# KiCad board px16_regfile.kicad_pcb (continued)
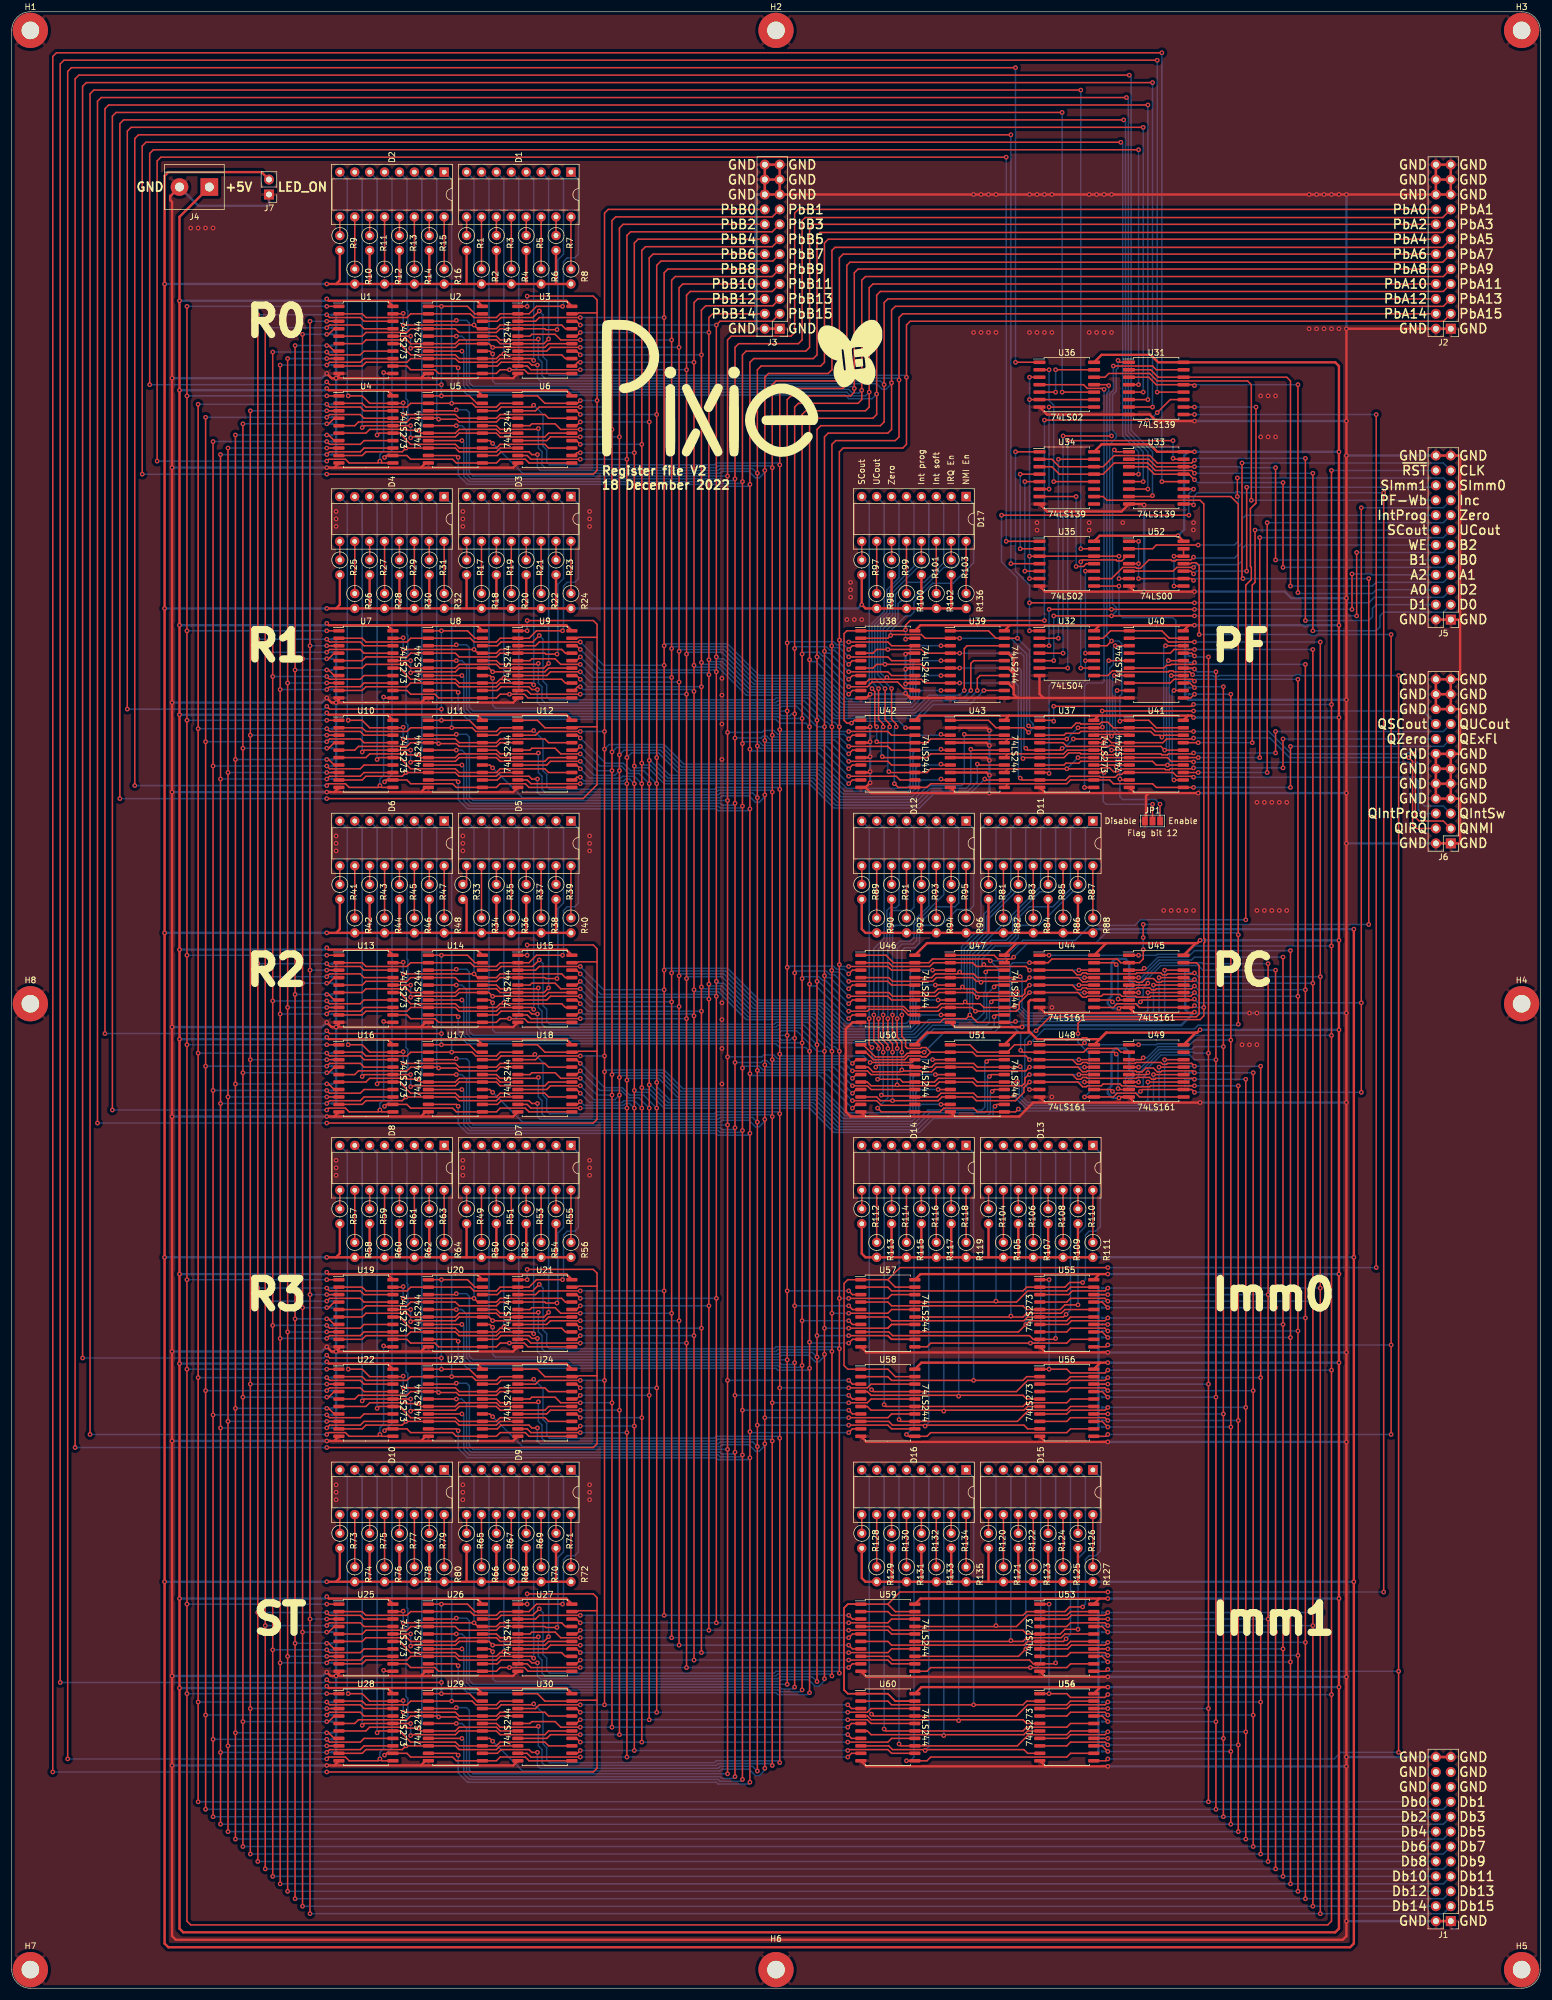
[diagram p0: board, top side]
## Nets (continued)
/PCQ11: D12.4 U48.11 U50.8 U51.8
/PCQ12: D12.5 U49.14 U50.11 U51.11
/PCQ13: D12.6 U49.13 U50.13 U51.13
/PCQ14: D12.7 U49.12 U50.15 U51.15
/PCQ15: D12.8 U49.11 U50.17 U51.17
/PF-Wa: U32.12 U36.11 U41.1 U41.19
/PF-Wb: J5.18 U36.12
/PF-WE: U36.4 U37.11
/QExFl: D17.5 J6.15 U37.12 U41.11 U42.11 U43.11
/QIntProg: D17.4 J6.6 U37.9 U38.8 U39.8 U41.8
/QIntSw: D17.3 J6.5 U37.6 U38.6 U39.6 U41.6
/QIRQ: D17.2 J6.4 U37.5 U38.4 U39.4 U41.4
/QNMI: D17.1 J6.3 U37.2 U38.2 U39.2 U41.2
/QSCout: D17.8 J6.18 U37.19 U42.17 U43.17
/QUCout: D17.7 J6.17 U37.16 U42.15 U43.15
/QZero: D17.6 J6.16 U37.15 U42.13 U43.13
/R0-WE: U1.11 U4.11 U35.1
/R0Q0: D1.1 U1.2 U2.2 U3.2
/R0Q1: D1.2 U1.5 U2.4 U3.4
/R0Q2: D1.3 U1.6 U2.6 U3.6
/R0Q3: D1.4 U1.9 U2.8 U3.8
/R0Q4: D1.5 U1.12 U2.11 U3.11
/R0Q5: D1.6 U1.15 U2.13 U3.13
/R0Q6: D1.7 U1.16 U2.15 U3.15
/R0Q7: D1.8 U1.19 U2.17 U3.17
/R0Q8: D2.1 U4.2 U5.2 U6.2
/R0Q9: D2.2 U4.5 U5.4 U6.4
/R0Q10: D2.3 U4.6 U5.6 U6.6
/R0Q11: D2.4 U4.9 U5.8 U6.8
/R0Q12: D2.5 U4.12 U5.11 U6.11
/R0Q13: D2.6 U4.15 U5.13 U6.13
/R0Q14: D2.7 U4.16 U5.15 U6.15
/R0Q15: D2.8 U4.19 U5.17 U6.17
/R1-WE: U7.11 U10.11 U35.4
/R1Q0: D3.1 U7.2 U8.2 U9.2
/R1Q1: D3.2 U7.5 U8.4 U9.4
/R1Q2: D3.3 U7.6 U8.6 U9.6
/R1Q3: D3.4 U7.9 U8.8 U9.8
/R1Q4: D3.5 U7.12 U8.11 U9.11
/R1Q5: D3.6 U7.15 U8.13 U9.13
/R1Q6: D3.7 U7.16 U8.15 U9.15
/R1Q7: D3.8 U7.19 U8.17 U9.17
/R1Q8: D4.1 U10.2 U11.2 U12.2
/R1Q9: D4.2 U10.5 U11.4 U12.4
/R1Q10: D4.3 U10.6 U11.6 U12.6
/R1Q11: D4.4 U10.9 U11.8 U12.8
/R1Q12: D4.5 U10.12 U11.11 U12.11
/R1Q13: D4.6 U10.15 U11.13 U12.13
/R1Q14: D4.7 U10.16 U11.15 U12.15
/R1Q15: D4.8 U10.19 U11.17 U12.17
/R2-WE: U13.11 U16.11 U36.10
/R2Q0: D5.1 U13.2 U14.2 U15.2
/R2Q1: D5.2 U13.5 U14.4 U15.4
/R2Q2: D5.3 U13.6 U14.6 U15.6
/R2Q3: D5.4 U13.9 U14.8 U15.8
/R2Q4: D5.5 U13.12 U14.11 U15.11
/R2Q5: D5.6 U13.15 U14.13 U15.13
/R2Q6: D5.7 U13.16 U14.15 U15.15
/R2Q7: D5.8 U13.19 U14.17 U15.17
/R2Q8: D6.1 U16.2 U17.2 U18.2
/R2Q9: D6.2 U16.5 U17.4 U18.4
/R2Q10: D6.3 U16.6 U17.6 U18.6
/R2Q11: D6.4 U16.9 U17.8 U18.8
/R2Q12: D6.5 U16.12 U17.11 U18.11
/R2Q13: D6.6 U16.15 U17.13 U18.13
/R2Q14: D6.7 U16.16 U17.15 U18.15
/R2Q15: D6.8 U16.19 U17.17 U18.17
/R3-WE: U19.11 U22.11 U35.13
/R3Q0: D7.1 U19.2 U20.2 U21.2
/R3Q1: D7.2 U19.5 U20.4 U21.4
/R3Q2: D7.3 U19.6 U20.6 U21.6
/R3Q3: D7.4 U19.9 U20.8 U21.8
/R3Q4: D7.5 U19.12 U20.11 U21.11
/R3Q5: D7.6 U19.15 U20.13 U21.13
/R3Q6: D7.7 U19.16 U20.15 U21.15
/R3Q7: D7.8 U19.19 U20.17 U21.17
/R3Q8: D8.1 U22.2 U23.2 U24.2
/R3Q9: D8.2 U22.5 U23.4 U24.4
/R3Q10: D8.3 U22.6 U23.6 U24.6
/R3Q11: D8.4 U22.9 U23.8 U24.8
/R3Q12: D8.5 U22.12 U23.11 U24.11
/R3Q13: D8.6 U22.15 U23.13 U24.13
/R3Q14: D8.7 U22.16 U23.15 U24.15
/R3Q15: D8.8 U22.19 U23.17 U24.17
/SCout: J5.14 U41.17
/SImm0: J5.19 U52.2
/SImm1: J5.20 U52.10
/ST-WE: U25.11 U28.11 U36.1
/STQ0: D9.1 U25.2 U26.2 U27.2
/STQ1: D9.2 U25.5 U26.4 U27.4
/STQ2: D9.3 U25.6 U26.6 U27.6
/STQ3: D9.4 U25.9 U26.8 U27.8
/STQ4: D9.5 U25.12 U26.11 U27.11
/STQ5: D9.6 U25.15 U26.13 U27.13
/STQ6: D9.7 U25.16 U26.15 U27.15
/STQ7: D9.8 U25.19 U26.17 U27.17
/STQ8: D10.1 U28.2 U29.2 U30.2
/STQ9: D10.2 U28.5 U29.4 U30.4
/STQ10: D10.3 U28.6 U29.6 U30.6
/STQ11: D10.4 U28.9 U29.8 U30.8
/STQ12: D10.5 U28.12 U29.11 U30.11
/STQ13: D10.6 U28.15 U29.13 U30.13
/STQ14: D10.7 U28.16 U29.15 U30.15
/STQ15: D10.8 U28.19 U29.17 U30.17
/UCout: J5.13 U41.15
/WE: J5.12 U52.5
/Zero: J5.15 U41.13
/~{A2}: U31.15 U32.4
/~{B2}: U32.6 U33.15
/~{D2}: U32.2 U34.15
/~{Imm-OEa}: U31.9 U57.1 U57.19 U58.1 U58.19
/~{Imm-OEb}: U33.9 U59.1 U59.19 U60.1 U60.19
/~{PC-OEa}: U31.10 U46.1 U46.19 U50.1 U50.19
/~{PC-OEb}: U33.10 U47.1 U47.19 U51.1 U51.19
/~{PC-WE}: U34.10 U44.9 U45.9 U48.9 U49.9
/~{PF-OEa}: U31.11 U38.1 U38.19 U42.1 U42.19
/~{PF-OEb}: U33.11 U39.1 U39.19 U43.1 U43.19
/~{PF-Wa}: U32.13 U40.1 U40.19
/~{PF-WE}: U34.11
/~{R0-OEa}: U2.1 U2.19 U5.1 U5.19 U31.4
/~{R0-OEb}: U3.1 U3.19 U6.1 U6.19 U33.4
/~{R0-WE}: U34.4 U35.2
/~{R1-OEa}: U8.1 U8.19 U11.1 U11.19 U31.5
/~{R1-OEb}: U9.1 U9.19 U12.1 U12.19 U33.5
/~{R1-WE}: U34.5 U35.5
/~{R2-OEa}: U14.1 U14.19 U17.1 U17.19 U31.6
/~{R2-OEb}: U15.1 U15.19 U18.1 U18.19 U33.6
/~{R2-WE}: U34.6 U36.8
/~{R3-OEa}: U20.1 U20.19 U23.1 U23.19 U31.7
/~{R3-OEb}: U21.1 U21.19 U24.1 U24.19 U33.7
/~{R3-WE}: U34.7 U35.11
/~{RST}: J5.22 U1.1 U4.1 U7.1 U10.1 U13.1 U16.1 U19.1 U22.1 U25.1 U28.1 U37.1 U44.1 U45.1 U48.1 U49.1 U53.1 U54.1 U55.1 U56.1
/~{ST-OEa}: U26.1 U26.19 U29.1 U29.19 U31.12
/~{ST-OEb}: U27.1 U27.19 U30.1 U30.19 U33.12
/~{ST-WE}: U34.12 U36.2
Net-(D1-Pad9): D1.9 R1.1
Net-(D1-Pad10): D1.10 R2.1
Net-(D1-Pad11): D1.11 R3.1
Net-(D1-Pad12): D1.12 R4.1
Net-(D1-Pad13): D1.13 R5.1
Net-(D1-Pad14): D1.14 R6.1
Net-(D1-Pad15): D1.15 R7.1
Net-(D1-Pad16): D1.16 R8.1
Net-(D2-Pad9): D2.9 R9.1
Net-(D2-Pad10): D2.10 R10.1
Net-(D2-Pad11): D2.11 R11.1
Net-(D2-Pad12): D2.12 R12.1
Net-(D2-Pad13): D2.13 R13.1
Net-(D2-Pad14): D2.14 R14.1
Net-(D2-Pad15): D2.15 R15.1
Net-(D2-Pad16): D2.16 R16.1
Net-(D3-Pad9): D3.9 R17.1
Net-(D3-Pad10): D3.10 R18.1
Net-(D3-Pad11): D3.11 R19.1
Net-(D3-Pad12): D3.12 R20.1
Net-(D3-Pad13): D3.13 R21.1
Net-(D3-Pad14): D3.14 R22.1
Net-(D3-Pad15): D3.15 R23.1
Net-(D3-Pad16): D3.16 R24.1
Net-(D4-Pad9): D4.9 R25.1
Net-(D4-Pad10): D4.10 R26.1
Net-(D4-Pad11): D4.11 R27.1
Net-(D4-Pad12): D4.12 R28.1
Net-(D4-Pad13): D4.13 R29.1
Net-(D4-Pad14): D4.14 R30.1
Net-(D4-Pad15): D4.15 R31.1
Net-(D4-Pad16): D4.16 R32.1
Net-(D5-Pad9): D5.9 R33.1
Net-(D5-Pad10): D5.10 R34.1
Net-(D5-Pad11): D5.11 R35.1
Net-(D5-Pad12): D5.12 R36.1
Net-(D5-Pad13): D5.13 R37.1
Net-(D5-Pad14): D5.14 R38.1
Net-(D5-Pad15): D5.15 R39.1
Net-(D5-Pad16): D5.16 R40.1
Net-(D6-Pad9): D6.9 R41.1
Net-(D6-Pad10): D6.10 R42.1
Net-(D6-Pad11): D6.11 R43.1
Net-(D6-Pad12): D6.12 R44.1
Net-(D6-Pad13): D6.13 R45.1
Net-(D6-Pad14): D6.14 R46.1
Net-(D6-Pad15): D6.15 R47.1
Net-(D6-Pad16): D6.16 R48.1
Net-(D7-Pad9): D7.9 R49.1
Net-(D7-Pad10): D7.10 R50.1
Net-(D7-Pad11): D7.11 R51.1
Net-(D7-Pad12): D7.12 R52.1
Net-(D7-Pad13): D7.13 R53.1
Net-(D7-Pad14): D7.14 R54.1
Net-(D7-Pad15): D7.15 R55.1
Net-(D7-Pad16): D7.16 R56.1
Net-(D8-Pad9): D8.9 R57.1
Net-(D8-Pad10): D8.10 R58.1
Net-(D8-Pad11): D8.11 R59.1
Net-(D8-Pad12): D8.12 R60.1
Net-(D8-Pad13): D8.13 R61.1
Net-(D8-Pad14): D8.14 R62.1
Net-(D8-Pad15): D8.15 R63.1
Net-(D8-Pad16): D8.16 R64.1
Net-(D9-Pad9): D9.9 R65.1
Net-(D9-Pad10): D9.10 R66.1
Net-(D9-Pad11): D9.11 R67.1
Net-(D9-Pad12): D9.12 R68.1
Net-(D9-Pad13): D9.13 R69.1
Net-(D9-Pad14): D9.14 R70.1
Net-(D9-Pad15): D9.15 R71.1
Net-(D9-Pad16): D9.16 R72.1
Net-(D10-Pad9): D10.9 R73.1
Net-(D10-Pad10): D10.10 R74.1
Net-(D10-Pad11): D10.11 R75.1
Net-(D10-Pad12): D10.12 R76.1
Net-(D10-Pad13): D10.13 R77.1
Net-(D10-Pad14): D10.14 R78.1
Net-(D10-Pad15): D10.15 R79.1
Net-(D10-Pad16): D10.16 R80.1
Net-(D11-Pad9): D11.9 R81.1
Net-(D11-Pad10): D11.10 R82.1
Net-(D11-Pad11): D11.11 R83.1
Net-(D11-Pad12): D11.12 R84.1
Net-(D11-Pad13): D11.13 R85.1
Net-(D11-Pad14): D11.14 R86.1
Net-(D11-Pad15): D11.15 R87.1
Net-(D11-Pad16): D11.16 R88.1
Net-(D12-Pad9): D12.9 R89.1
Net-(D12-Pad10): D12.10 R90.1
Net-(D12-Pad11): D12.11 R91.1
Net-(D12-Pad12): D12.12 R92.1
Net-(D12-Pad13): D12.13 R93.1
Net-(D12-Pad14): D12.14 R94.1
Net-(D12-Pad15): D12.15 R95.1
Net-(D12-Pad16): D12.16 R96.1
Net-(D13-Pad9): D13.9 R104.1
Net-(D13-Pad10): D13.10 R105.1
Net-(D13-Pad11): D13.11 R106.1
Net-(D13-Pad12): D13.12 R107.1
Net-(D13-Pad13): D13.13 R108.1
Net-(D13-Pad14): D13.14 R109.1
Net-(D13-Pad15): D13.15 R110.1
Net-(D13-Pad16): D13.16 R111.1
Net-(D14-Pad9): D14.9 R112.1
Net-(D14-Pad10): D14.10 R113.1
Net-(D14-Pad11): D14.11 R114.1
Net-(D14-Pad12): D14.12 R115.1
Net-(D14-Pad13): D14.13 R116.1
Net-(D14-Pad14): D14.14 R117.1
Net-(D14-Pad15): D14.15 R118.1
Net-(D14-Pad16): D14.16 R119.1
Net-(D15-Pad9): D15.9 R120.1
Net-(D15-Pad10): D15.10 R121.1
Net-(D15-Pad11): D15.11 R122.1
Net-(D15-Pad12): D15.12 R123.1
Net-(D15-Pad13): D15.13 R124.1
Net-(D15-Pad14): D15.14 R125.1
Net-(D15-Pad15): D15.15 R126.1
Net-(D15-Pad16): D15.16 R127.1
Net-(D16-Pad9): D16.9 R128.1
Net-(D16-Pad10): D16.10 R129.1
Net-(D16-Pad11): D16.11 R130.1
Net-(D16-Pad12): D16.12 R131.1
Net-(D16-Pad13): D16.13 R132.1
Net-(D16-Pad14): D16.14 R133.1
Net-(D16-Pad15): D16.15 R134.1
Net-(D16-Pad16): D16.16 R135.1
Net-(D17-Pad9): D17.9 R97.1
Net-(D17-Pad10): D17.10 R98.1
Net-(D17-Pad11): D17.11 R99.1
Net-(D17-Pad12): D17.12 R100.1
Net-(D17-Pad13): D17.13 R101.1
Net-(D17-Pad14): D17.14 R102.1
Net-(D17-Pad15): D17.15 R103.1
Net-(D17-Pad16): D17.16 R136.1
Net-(JP1-Pad2): JP1.2 U37.13
Net-(U32-Pad9): U32.9 U52.3
Net-(U32-Pad10): U32.10 U37.8
Net-(U32-Pad11): U32.11 U35.10
Net-(U35-Pad12): U35.3 U35.6 U35.12 U36.3 U36.6 U36.9 U52.6
Net-(U36-Pad13): U36.5 U36.13
Net-(U44-Pad15): U44.15 U45.7
Net-(U45-Pad15): U45.15 U48.7
Net-(U48-Pad15): U48.15 U49.7
Net-(U52-Pad12): U52.8 U52.12 U52.13

Pads without a net: J1 19 20 21 22; U34 9; U49 15

## Via types
v1: diameter 0.8, hole 0.4, Top to Bottom, 1632 vias

## Routing (per net, layer and track width the routed paths; a pad name or vN(x,y) marks a point on that pad's centre or on a via; arc(x,y) is an arc through that point)
+5V: length 2204.3
  Top w0.4: U24.20 95.41,105.41 94.46,106.36 79.21,106.36 U23.20 ; 185.31,232.09 U32.14 ; 185.31,232.09 170.02,232.09 ; 185.31,232.09 200.5,232.09 ; 185.42,51.28 U54.20 ; 185.42,51.28 v1(186.69,51.28) ; 185.42,51.28 154.94,51.28 153.83,50.17 U60.20 ; 169.86,216.69 185.1,216.69 ; 169.86,216.69 169.07,215.9 U43.20 ; 169.86,216.69 154.62,216.69 153.83,215.9 U42.20 ; 185.1,216.69 184.31,215.9 U37.20 ; 185.1,216.69 200.34,216.69 ; U19.20 63.97,121.6 94.46,121.6 95.41,120.65 U21.20 ; v1(53.66,272.42) 53.98,272.1 63.98,272.1 ; 63.98,161.61 79.22,161.61 ; 63.98,161.61 53.98,161.61 v1(53.66,161.93) ; 63.98,161.61 63.98,161.6 U16.20 ; 186.42,177.96 184.35,175.9 ; 186.42,177.96 201.66,177.96 ; 186.42,177.96 171.13,177.96 ; U48.16 186.42,162.72 ; 186.42,162.72 185.31,161.61 183.22,161.61 183.05,161.77 182.39,161.77 182.23,161.61 174.62,161.61 173.51,162.72 ; 186.42,162.72 201.66,162.72 ; 201.66,162.72 201.93,162.72 v1(202.41,163.2) ; 201.66,162.72 U49.16 ; 63.98,216.85 79.22,216.85 ; 63.98,216.85 63.98,216.85 U10.20 ; 63.98,216.85 53.98,216.85 v1(53.66,217.17) ; v1(53.66,177.17) 53.98,176.85 63.98,176.85 ; 79.22,287.33 U2.20 ; 170.02,232.09 U39.20 ; 170.02,232.09 154.78,232.09 153.83,231.14 U38.20 ; U9.20 95.41,231.14 94.46,232.09 63.97,232.09 U7.20 ; U52.14 v1(198.64,247.33) 185.31,247.33 U35.14 ; 201.66,177.96 199.59,175.9 ; 201.66,177.96 201.93,177.96 v1(202.41,178.44) ; v1(201.45,261.62) U33.16 195.1,261.62 193.83,262.89 185.62,262.89 U34.16 ; 200.34,216.69 200.98,216.69 v1(201.29,216.38) ; 200.34,216.69 199.55,215.9 U41.20 ; U47.20 169.07,175.9 171.13,177.96 ; v1(201.45,232.09) 200.5,232.09 ; 200.5,232.09 U40.20 ; 185.26,66.36 154.78,66.36 153.83,65.41 ; 185.26,66.36 U53.20 ; 185.26,66.36 v1(186.69,66.36) ; 63.98,51.12 53.98,51.12 v1(53.66,51.44) ; 63.98,51.12 79.22,51.12 ; 63.98,51.12 63.98,51.11 U28.20 ; U30.20 95.41,50.17 94.46,51.12 79.21,51.12 U29.20 ; 79.22,176.84 U14.20 ; U5.20 79.21,272.1 94.46,272.1 95.41,271.15 U6.20 ; 173.51,162.72 173.2,163.04 173.2,167.96 173.51,168.28 175.05,168.28 ; 173.51,162.72 171.13,162.72 ; U17.20 79.21,161.61 94.46,161.61 95.41,160.66 U18.20 ; v1(53.66,66.68) 53.98,66.36 63.98,66.36 ; 63.98,106.36 53.98,106.36 v1(53.66,106.68) ; 63.98,106.36 63.98,106.36 U22.20 ; 63.98,106.36 79.22,106.36 ; U50.20 155.89,162.72 171.13,162.72 ; U57.20 153.83,120.65 154.78,121.6 185.26,121.6 ; 185.42,106.52 v1(186.69,106.52) ; 185.42,106.52 154.94,106.52 153.83,105.41 U58.20 ; 185.42,106.52 U56.20 ; 63.98,232.09 53.98,232.09 v1(53.66,232.41) ; v1(53.66,121.92) 53.98,121.6 63.98,121.6 ; U11.20 79.21,216.85 94.46,216.85 95.41,215.9 U12.20 ; 171.13,162.72 U51.20 ; U15.20 95.41,175.9 94.46,176.85 63.97,176.85 U13.20 ; U36.14 185.62,278.13 193.99,278.13 195.26,276.86 U31.16 225.43,276.86 226.06,276.23 v1(226.06,261.62) v1(226.06,232.09) v1(226.06,216.38) v1(226.06,178.44) v1(226.06,163.2) v1(226.06,121.6) v1(226.06,106.52) v1(226.06,66.36) v1(226.06,51.28) 226.06,10.16 225.43,9.53 29.21,9.53 28.57,10.16 v1(28.57,51.12) v1(28.57,66.36) v1(28.57,106.36) v1(28.57,121.6) v1(28.57,161.61) v1(28.57,176.85) v1(28.57,216.85) v1(28.57,232.09) v1(28.57,272.1) v1(28.57,287.34) 28.57,301.62 J4.1 ; 63.98,272.1 79.22,272.1 ; 63.98,272.1 63.98,272.09 U4.20 ; U46.20 153.83,175.9 155.89,177.96 171.13,177.96 ; 79.22,66.35 U26.20 ; 79.22,121.6 U20.20 ; 185.26,121.6 U55.20 ; 185.26,121.6 v1(186.69,121.6) ; 79.22,232.09 U8.20 ; v1(53.66,287.66) 53.98,287.34 63.98,287.34 ; U25.20 63.97,66.36 94.46,66.36 95.41,65.41 U27.20 ; U3.20 95.41,286.39 94.46,287.34 63.97,287.34 U1.20
  Bottom w0.4: v1(53.66,51.44) 53.34,51.12 v1(28.57,51.12) ; v1(28.57,272.1) 53.34,272.1 v1(53.66,272.42) ; v1(28.57,232.09) 53.34,232.09 v1(53.66,232.41) ; v1(201.29,216.38) v1(226.06,216.38) ; v1(186.69,106.52) v1(226.06,106.52) ; v1(53.66,217.17) 53.34,216.85 v1(28.57,216.85) ; v1(28.57,66.36) 53.34,66.36 v1(53.66,66.68) ; v1(53.66,177.17) 53.34,176.85 v1(28.57,176.85) ; v1(202.41,163.2) v1(226.06,163.2) ; v1(53.66,106.68) 53.34,106.36 v1(28.57,106.36) ; v1(201.45,232.09) 220.03,232.09 220.19,231.93 220.5,231.93 220.66,232.09 v1(226.06,232.09) ; v1(198.64,247.33) 199.71,248.4 199.71,260.99 200.34,261.62 v1(201.45,261.62) v1(226.06,261.62) ; v1(186.69,66.36) v1(226.06,66.36) ; v1(186.69,121.6) v1(226.06,121.6) ; v1(53.66,287.66) 53.34,287.34 v1(28.57,287.34) ; v1(53.66,121.92) 53.34,121.6 v1(28.57,121.6) ; v1(202.41,178.44) v1(226.06,178.44) ; v1(186.69,51.28) v1(226.06,51.28) ; v1(53.66,161.93) 53.34,161.61 v1(28.57,161.61)
GND: length 2971.7
  Top w0.4: v1(146.21,207.17) 146.05,207.01 U42.8 ; v1(152.24,227.17) 152.4,227.33 U38.17 ; U19.10 55.73,108.91 v1(55.25,108.43) ; J6.12 J6.11 ; J6.12 J6.10 ; J6.12 J6.14 J6.13 ; J6.11 J6.9 ; J6.11 J6.13 ; 54.93,37.94 v1(53.66,37.94) ; 54.93,37.94 69.69,37.94 ; 54.93,37.94 U28.10 ; v1(166.53,206.53) 166.05,207.01 U43.8 ; 191.25,150.81 v1(202.41,150.81) ; 191.25,150.81 190.29,151.77 188.75,151.77 v1(188.59,151.61) ; 191.25,150.81 176.01,150.81 ; J2.20 J2.22 ; J2.20 v1(227.33,305.44) J3.19 ; J2.20 J2.19 J2.21 ; J2.22 J2.24 J2.23 J2.21 ; J2.22 J2.21 ; 145.42,148.43 U50.10 ; 145.42,148.43 160.66,148.43 ; 145.42,148.43 142.88,148.43 142.08,149.23 142.08,163.35 143.19,164.47 U46.10 ; v1(186.69,108.27) 186.69,108.27 176.05,108.27 ; v1(192.88,252.57) 192.72,252.73 U33.8 189.02,251.46 176.32,251.46 U34.8 ; 176.06,203.52 191.3,203.52 ; 176.06,203.52 U37.10 ; 176.06,203.52 v1(166.53,203.52) 160.82,203.52 ; 191.3,203.52 U41.10 ; 191.3,203.52 193.67,203.52 ; v1(186.69,53.02) 186.69,53.03 176.05,53.03 ; 176.05,108.27 176.05,108.27 145.57,108.27 144.62,109.22 U57.10 ; 176.05,108.27 U55.10 ; 69.69,258.92 85.41,258.92 86.2,259.72 ; 69.69,258.92 70.48,259.72 70.97,259.72 ; 69.69,258.92 54.93,258.92 ; 145.41,204.47 U42.10 ; 145.41,204.47 146.37,203.52 160.82,203.52 ; 145.41,204.47 v1(146.21,205.26) ; 170.66,221.3 169.7,222.25 U39.13 ; 170.66,221.3 170.66,223.84 ; 170.66,221.3 170.66,220.35 171.29,219.71 ; v1(55.25,274.16) 55.73,274.64 U1.10 ; v1(55.25,274.16) 54.45,274.16 v1(53.66,274.96) ; v1(55.25,274.16) 69.69,274.16 ; U43.2 166.05,214.63 v1(166.53,214.15) ; v1(201.45,266.86) 194.94,266.86 193.83,267.97 U31.8 176.32,267.97 U36.7 ; 176.05,53.03 176.05,53.02 145.57,53.02 144.62,53.97 ; 176.05,53.03 U53.10 ; v1(166.53,211.61) 166.05,212.09 U43.4 ; J6.23 J6.24 J6.22 ; J6.23 246.7,222.89 246.7,233.05 ; J6.23 J6.21 ; 176.06,37.78 v1(186.69,37.78) ; 176.06,37.78 145.57,37.78 144.62,38.73 ; 176.06,37.78 U54.10 ; 170.66,223.84 170.66,226.38 169.7,227.33 U39.17 ; 170.66,223.84 169.7,224.79 U39.15 ; U38.15 152.4,224.79 v1(152.24,224.63) ; J3.21 J3.19 ; J3.21 J3.23 128.27,310.52 128.27,307.98 ; J3.21 128.27,307.98 ; J3.19 128.27,305.44 128.27,307.98 ; 55.73,259.72 54.93,258.92 ; 54.93,258.92 v1(53.66,258.92) ; U8.10 70.48,219.71 69.69,218.92 ; v1(146.21,209.71) 146.05,209.55 U42.6 ; v1(53.66,53.82) 54.29,53.18 v1(55.25,53.18) ; 176.06,93.03 145.57,93.03 144.62,93.98 U58.10 ; 176.06,93.03 U56.10 ; 176.06,93.03 v1(186.69,93.03) ; U23.10 70.48,93.98 69.69,93.19 ; v1(55.25,163.67) 55.73,164.15 U13.10 ; v1(55.25,163.67) 54.45,163.67 v1(53.66,164.47) ; v1(55.25,163.67) 69.69,163.67 ; v1(55.25,53.18) 69.69,53.18 ; v1(55.25,53.18) 55.73,53.66 U25.10 ; U38.10 145.57,219.71 v1(146.21,220.35) ; 69.69,148.43 70.48,149.23 U17.10 ; 69.69,148.43 85.41,148.43 U18.10 ; 69.69,148.43 54.93,148.43 ; U16.10 54.93,148.43 ; 54.93,148.43 v1(53.66,148.43) ; 160.66,148.43 U51.10 ; 160.66,148.43 171.61,148.43 173.99,150.81 176.01,150.81 ; J6.9 J6.10 ; J6.9 J6.7 ; 69.69,108.43 85.41,108.43 U21.10 ; 69.69,108.43 70.48,109.22 U20.10 ; 69.69,108.43 v1(55.25,108.43) ; 176.01,150.81 175.05,151.77 ; J6.13 246.7,210.19 246.7,217.81 J6.19 ; 171.29,219.71 175.74,219.71 ; 171.29,219.71 U39.11 U39.10 U38.11 153.03,219.71 v1(152.24,220.5) ; U44.8 176.01,166.05 191.25,166.05 ; v1(146.21,212.25) 146.05,212.09 U42.4 ; U3.10 85.41,274.16 69.69,274.16 ; U29.10 70.48,38.74 69.69,37.94 ; 69.69,203.68 70.48,204.47 U11.10 ; 69.69,203.68 54.93,203.68 ; 69.69,203.68 85.41,203.68 U12.10 ; U22.10 54.93,93.19 ; 54.93,93.19 v1(53.66,93.19) ; 54.93,93.19 69.69,93.19 ; J6.7 246.7,202.57 246.7,194.95 J6.1 J6.2 ; J6.7 J6.8 J6.10 ; J6.22 J6.20 J6.19 ; J6.22 J6.21 ; U7.10 55.73,219.39 v1(55.25,218.92) ; U42.2 146.05,214.63 v1(146.21,214.79) ; JP1.1 193.04,198.76 193.2,198.91 193.2,203.04 193.67,203.52 ; 69.69,37.94 85.41,37.94 U30.10 ; 69.69,218.92 85.41,218.92 U9.10 ; 69.69,218.92 54.45,218.92 v1(53.66,219.71) ; 69.69,53.18 70.48,53.98 U26.10 ; 69.69,53.18 85.41,53.18 U27.10 ; 54.93,203.68 v1(53.66,203.68) ; 54.93,203.68 U10.10 ; 193.67,203.52 v1(202.09,203.52) ; 191.25,237.81 176.01,237.81 U35.7 ; 191.25,237.81 v1(192.88,237.81) v1(201.45,237.81) ; 191.25,237.81 U52.7 ; J4.2 26.99,305.12 26.99,304.48 27.31,304.17 v1(27.31,274.16) v1(27.31,258.92) v1(27.31,218.92) v1(27.31,203.68) v1(27.31,163.67) v1(27.31,148.43) v1(27.31,108.43) v1(27.31,93.19) v1(27.31,53.18) v1(27.31,37.94) 27.31,8.89 27.94,8.26 226.69,8.26 227.33,8.89 v1(227.33,37.78) v1(227.33,53.02) v1(227.33,93.03) v1(227.33,108.27) v1(227.33,150.81) v1(227.33,166.05) v1(227.33,203.52) v1(227.33,219.39) v1(227.33,260.99) v1(227.33,266.86) v1(227.33,282.58) J2.2 J2.1 ; U38.13 152.4,222.25 v1(152.24,222.09) ; J5.24 J5.23 246.7,260.99 246.7,233.05 ; J6.19 J6.21 ; 69.69,93.19 85.41,93.19 U24.10 ; 69.69,274.16 70.48,274.96 U2.10 ; J1.23 J1.24 ; U47.10 159.86,164.46 160.66,163.67 v1(172.08,163.67) ; v1(55.25,108.43) 54.45,108.43 v1(53.66,109.22) ; U14.10 70.48,164.47 69.69,163.67 ; v1(188.59,166.85) 188.75,167.01 U45.8 191.25,166.05 ; 160.82,203.52 U43.10 ; 128.27,282.58 J3.1 ; J1.1 J1.2 ; 69.69,163.67 85.41,163.67 U15.10 ; U32.7 175.05,220.39 175.74,219.71 ; U43.6 166.05,209.55 v1(166.53,209.07) ; 191.25,166.05 201.29,166.05 v1(201.45,166.21) ; 246.7,233.05 J5.1 J5.2 ; 175.74,219.71 U40.10
  Bottom w0.4: v1(201.45,266.86) v1(227.33,266.86) ; v1(227.33,166.05) v1(212.09,166.05) v1(210.82,166.05) 201.61,166.05 v1(201.45,166.21) ; C88.2 190.34,170.02 190.5,170.18 190.82,170.18 190.98,170.34 C87.2 190.98,171.29 190.82,171.45 190.5,171.45 190.34,171.61 C86.2 190.34,172.09 C85.2 ; v1(53.66,258.92) v1(27.31,258.92) ; v1(27.31,218.92) 52.86,218.92 v1(53.66,219.71) ; C29.2 v1(55.25,218.92) C21.2 C24.2 ; v1(186.69,108.27) v1(227.33,108.27) ; v1(186.69,93.03) v1(227.33,93.03) ; v1(227.33,305.44) v1(227.33,282.58) ; 128.27,305.44 126.68,305.44 126.68,282.58 128.27,282.58 ; 185.1,95.57 185.1,119.22 ; C129.2 C133.2 199.86,219.87 200.34,219.39 v1(227.33,219.39) ; C56.2 C53.2 C61.2 ; C96.2 190.34,154.78 190.5,154.94 190.82,154.94 190.98,155.1 C95.2 190.98,156.05 190.82,156.21 190.5,156.21 190.34,156.37 C94.2 190.34,158.11 C93.2 190.34,159.39 189.71,160.02 187.96,160.02 187.32,159.39 187.32,153.67 186.69,153.04 186.69,152.4 187.48,151.61 v1(188.59,151.61) ; v1(146.21,214.79) v1(146.21,212.25) v1(146.21,209.71) v1(146.21,207.17) v1(146.21,205.26) ; J1.2 v1(227.33,11.43) ; C40.2 C45.2 ; J4.2 31.75,303.53 43.82,303.53 J7.1 ; v1(202.09,203.52) v1(227.33,203.52) ; v1(53.66,274.96) 52.86,274.16 v1(27.31,274.16) ; v1(166.53,214.15) v1(166.53,211.61) v1(166.53,209.07) v1(166.53,206.53) v1(166.53,203.52) ; v1(186.69,53.02) v1(227.33,53.02) ; v1(53.66,37.94) v1(27.31,37.94) ; v1(227.33,236.7) 217.96,236.7 216.85,237.81 v1(201.45,237.81) ; v1(201.45,166.21) 199.23,163.99 172.4,163.99 v1(172.08,163.67) ; v1(201.45,166.21) 201.29,166.05 200.5,166.05 199.86,166.69 C84.2 C81.2 ; J6.2 v1(227.33,194.95) ; v1(53.66,93.19) v1(27.31,93.19) ; 190.34,173.36 190.34,174.63 189.71,175.26 187.96,175.26 187.32,174.63 187.32,168.91 186.69,168.28 186.69,167.64 187.48,166.85 v1(188.59,166.85) ; v1(202.41,150.81) v1(227.33,150.81) ; v1(27.31,108.43) 52.86,108.43 v1(53.66,109.22) ; v1(227.33,260.99) J5.24 ; v1(152.24,227.17) v1(152.24,224.63) v1(152.24,222.09) v1(152.24,220.5) 152.08,220.35 v1(146.21,220.35) ; v1(192.88,237.81) v1(192.88,252.57) ; v1(27.31,163.67) 52.86,163.67 v1(53.66,164.47) ; 185.1,40.32 185.1,63.97 C113.2 ; J1.24 v1(227.33,39.37) ; v1(227.33,37.78) v1(186.69,37.78) ; C77.2 v1(55.25,53.18) C69.2 C72.2 ; v1(27.31,53.18) 53.02,53.18 v1(53.66,53.82) ; v1(53.66,203.68) v1(27.31,203.68) ; v1(53.66,148.43) v1(27.31,148.43) ; C8.2 C13.2
  vias: v1(30.48,299.72) v1(31.75,299.72) v1(33,299.72) v1(34.28,299.72) v1(55.25,251.46) v1(55.25,250.19) v1(55.25,248.92) v1(55.25,196.22) v1(55.25,194.95) v1(55.25,193.68) v1(55.25,140.97) v1(55.25,139.7) v1(55.25,138.43) v1(55.25,85.73) v1(55.25,84.46) v1(55.25,83.19) v1(76.84,251.46) v1(76.84,250.19) v1(76.84,248.92) v1(76.84,196.22) v1(76.84,194.95) v1(76.84,193.68) v1(76.84,140.97) v1(76.84,139.7) v1(76.84,138.43) v1(76.84,85.73) v1(76.84,84.46) v1(76.84,83.19) v1(98.42,251.46) v1(98.42,250.19) v1(98.42,248.92) v1(98.42,196.22) v1(98.42,194.95) v1(98.42,193.68) v1(98.42,140.97) v1(98.42,139.7) v1(98.42,138.43) v1(98.42,85.73) v1(98.42,84.46) v1(98.42,83.19) v1(120.97,223.04) v1(120.97,220.19) v1(120.97,215.27) v1(120.97,209.23) v1(120.97,167.8) v1(120.97,164.94) v1(120.97,160.02) v1(120.97,153.99) v1(142.24,233.05) v1(142.88,239.4) v1(142.88,238.13) v1(142.88,236.86) v1(143.51,233.05) v1(144.78,233.05) v1(163.83,305.44) v1(163.83,281.94) v1(165.1,305.44) v1(165.1,281.94) v1(166.37,305.44) v1(166.37,281.94) v1(167.64,305.44) v1(167.64,281.94) v1(173.35,305.44) v1(173.35,281.94) v1(174.62,305.44) v1(174.62,281.94) v1(174.62,249.56) v1(174.62,248.29) v1(175.89,305.44) v1(175.89,281.94) v1(177.16,305.44) v1(177.16,281.94) v1(177.16,167.01) v1(177.16,151.77) v1(183.51,305.44) v1(183.51,281.94) v1(183.51,249.56) v1(183.51,248.29) v1(184.78,305.44) v1(184.78,281.94) v1(186.05,305.44) v1(186.05,281.94) v1(187.32,305.44) v1(187.32,281.94) v1(189.23,249.56) v1(196.22,183.52) v1(197.48,183.52) v1(198.75,183.52) v1(200.02,183.52) v1(201.29,249.56) v1(201.27,248.32) v1(201.29,183.52) v1(209.55,160.66) v1(210.81,160.66) v1(212.09,201.93) v1(212.09,183.52) v1(212.08,160.66) v1(212.72,271.15) v1(212.72,264.16) v1(213.36,201.93) v1(213.36,183.52) v1(214,271.15) v1(214,264.16) v1(214.63,201.93) v1(214.63,183.52) v1(215.26,271.15) v1(215.26,264.16) v1(215.9,201.93) v1(215.9,183.52) v1(217.17,201.93) v1(217.17,183.52) v1(220.98,305.44) v1(220.98,282.58) v1(222.25,305.44) v1(222.25,282.58) v1(223.52,305.44) v1(223.52,282.58) v1(224.79,305.44) v1(224.79,282.58) v1(226.06,305.44) v1(226.06,282.58)
